# Allegro board 1156197-TDI_VU3P_QSFP28_CXP_V001_1023A-166-20241121_1644_PCB.brd (continued)
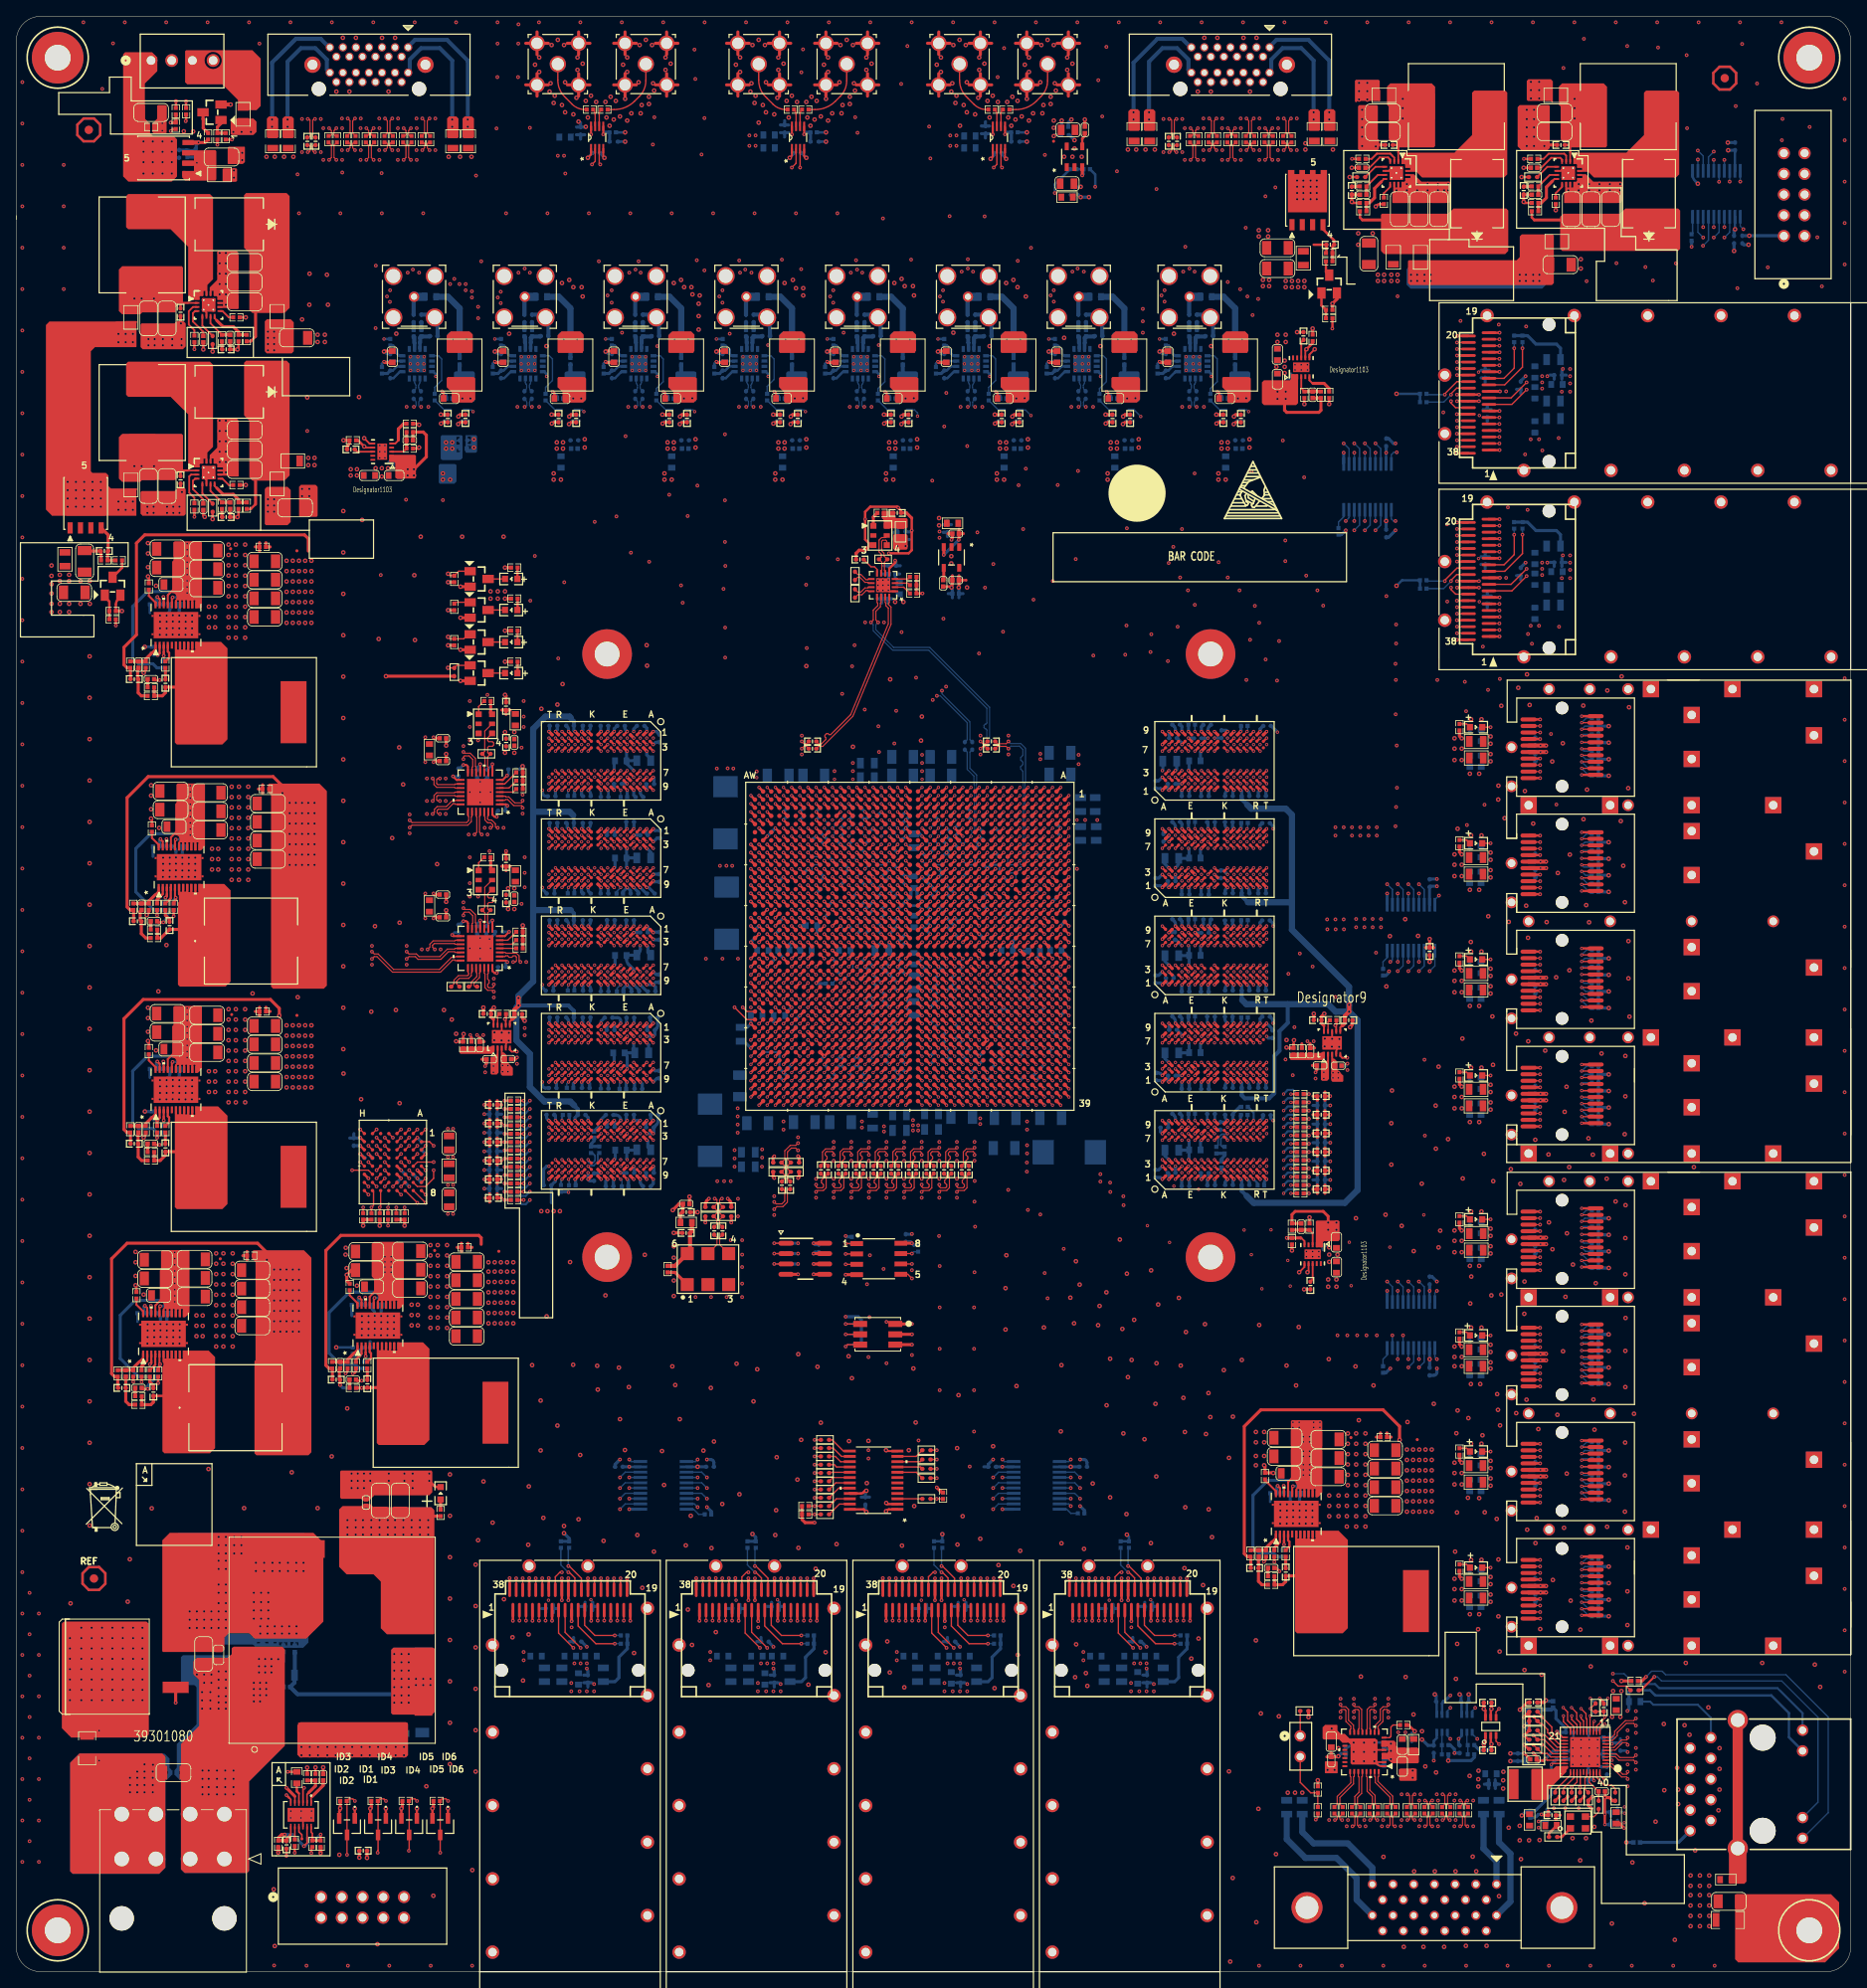
[diagram p0: board, top side]
## Routing (per net, layer and track width the routed paths; a pad name or vN(x,y) marks a point on that pad's centre or on a via; arc(x,y) is an arc through that point) (continued)
CHA_FPGA_DDR4_C1_A8: length 130.5
  TOP w0.267: U8.R2 v3(66.13,139.48) ; U9.R2 v3(66.13,103.66) ; U10.R2 v3(66.13,151.42) ; U7.R2 v3(66.13,127.54) ; R103.1 v1(62.23,104.88) ; U1.AJ12 v1(100.1,134.36) ; U11.R2 v3(66.13,115.6)
  ART03 w0.122: v3(66.13,103.66) 66.53,104.06 66.53,105.18 66.65,105.3 66.73,105.3 66.85,105.42 66.85,105.67 66.73,105.79 66.65,105.79 66.53,105.91 66.53,106.18 66.76,106.41 66.76,106.65 66.53,106.89 66.53,111.95 66.65,112.07 66.88,112.07 67.01,112.19 67.01,112.44 66.88,112.56 66.65,112.56 66.53,112.68 66.53,112.92 66.65,113.04 66.88,113.04 67.01,113.17 67.01,113.41 66.88,113.53 66.65,113.53 66.53,113.65 U11.R2 v3(66.13,115.6) 66.53,116 66.53,117.12 66.65,117.24 66.73,117.24 66.85,117.36 66.85,117.6 66.73,117.73 66.65,117.73 66.53,117.85 66.53,118.12 66.76,118.35 66.76,118.59 66.53,118.82 66.53,123.89 66.65,124.01 66.88,124.01 67.01,124.13 67.01,124.37 66.88,124.5 66.65,124.5 66.53,124.62 66.53,124.86 66.65,124.98 66.88,124.98 67.01,125.1 67.01,125.35 66.88,125.47 66.65,125.47 66.53,125.59 U7.R2 v3(66.13,127.54) 66.53,127.94 66.53,129.06 66.65,129.18 66.73,129.18 66.85,129.3 66.85,129.54 66.73,129.66 66.65,129.66 66.53,129.79 66.53,130.03 66.65,130.15 66.73,130.15 66.85,130.27 66.85,130.52 66.73,130.64 66.65,130.64 66.53,130.76 66.53,135.82 66.65,135.95 66.88,135.95 67.01,136.07 67.01,136.31 66.88,136.43 66.65,136.43 66.53,136.56 66.53,136.8 66.65,136.92 66.88,136.92 67.01,137.04 67.01,137.29 66.88,137.41 66.65,137.41 66.53,137.53 U8.R2 v3(66.13,139.48) 66.53,139.88 66.53,140.92 66.41,141.04 66.11,141.04 65.99,141.16 65.99,141.41 66.11,141.53 66.46,141.53 66.58,141.65 66.58,141.89 66.46,142.01 66.11,142.01 65.99,142.14 65.99,142.38 66.11,142.5 66.41,142.5 66.53,142.62 66.53,142.87 66.41,142.99 66.11,142.99 65.99,143.11 65.99,143.36 66.11,143.48 66.41,143.48 66.53,143.6 66.53,143.84 66.41,143.97 66.11,143.97 65.99,144.09 65.99,144.33 66.11,144.45 66.41,144.45 66.53,144.58 66.53,147.76 66.65,147.88 66.88,147.88 67.01,148.01 67.01,148.25 66.88,148.37 66.65,148.37 66.53,148.49 66.53,148.74 66.65,148.86 66.88,148.86 67.01,148.98 67.01,149.22 66.88,149.35 66.65,149.35 66.53,149.47 U10.R2 v3(66.13,151.42)
  ART05 w0.165: 65.73,152.37 65.73,151.82 v3(66.13,151.42)
  ART05 w0.191: 65.73,152.37 65.74,152.38 65.74,152.88 66.85,154 80.95,154 81.13,153.82 81.13,153.55 80.32,152.74 80.32,152.47 80.59,152.2 80.86,152.2 81.67,153.01 81.94,153.01 85.31,149.64 85.31,148.99 84.5,148.18 84.5,147.91 84.77,147.64 85.04,147.64 85.85,148.45 86.24,148.45 86.61,148.08 86.61,146.11 86.8,145.92 87.31,145.92 87.5,146.11 87.5,146.75 87.69,146.94 88.07,146.94 88.27,146.75 88.27,145.05 88.46,144.86 88.76,144.86 88.95,145.05 88.95,145.48 89.15,145.67 89.53,145.67 89.72,145.48 89.72,145.05 89.91,144.86 91.39,144.86 91.64,144.6 91.64,144.12 91.85,143.92 93.4,143.92 93.68,143.64 93.68,143.08 93.88,142.88 96.47,142.88 97.43,141.91 99.36,141.91 99.64,141.63 99.64,141.15 99.87,140.92 100.28,140.92 100.61,140.59 100.61,139.22 100.97,138.86 101.35,138.86 101.57,138.63 101.57,134.18 101.26,133.86 100.6,133.86 v1(100.1,134.36)
  ART14 w0.165: 65.15,104.06 65.73,104.06 v3(66.13,103.66)
  ART14 w0.191: v1(62.23,104.88) 62.71,104.39 63.75,104.39 64.08,104.06 65.15,104.06
CHA_FPGA_DDR4_C1_A9: length 127.7
  TOP w0.267: U11.R7 v3(66.13,111.6) ; U10.R7 v3(66.13,147.42) ; U1.AG9 v1(102.1,137.36) ; U8.R7 v3(66.13,135.48) ; U7.R7 v3(66.13,123.54) ; U9.R7 v3(66.13,99.66)
  ART07 w0.191: v1(62.99,99.8) 66,99.8 v3(66.13,99.66)
  ART12 w0.165: 65.74,152.6 65.74,147.78 65.96,147.55 66,147.55 v3(66.13,147.42)
  ART12 w0.191: v1(102.1,137.36) 102.43,137.36 102.95,137.87 103.39,137.87 103.58,138.06 103.58,140.64 103.15,141.07 103.15,141.96 102.34,142.77 102.09,142.77 101.55,143.32 101.55,145.82 101.14,146.23 101.14,148.47 98.86,150.75 98.6,150.75 98.35,150.51 98.08,150.51 97.81,150.78 97.81,151.05 98.06,151.29 98.06,151.57 92.36,157.26 70.17,157.26 65.74,152.83 65.74,152.6
  ART16 w0.122: v3(66.13,99.66) 65.73,100.06 65.73,104.94 65.61,105.06 65.48,105.06 65.33,105.21 65.33,105.43 65.45,105.55 65.61,105.55 65.73,105.67 65.73,105.91 65.61,106.04 65.48,106.04 65.33,106.18 65.33,106.4 65.45,106.52 65.61,106.52 65.73,106.65 65.73,106.89 65.61,107.01 65.48,107.01 65.33,107.16 65.33,107.38 65.45,107.5 65.61,107.5 65.73,107.62 65.73,107.87 65.61,107.99 65.48,107.99 65.33,108.13 65.33,108.35 65.45,108.48 65.61,108.48 65.73,108.6 65.73,111.2 v3(66.13,111.6) 65.73,112 65.73,116.88 65.61,117 65.48,117 65.33,117.15 65.33,117.37 65.45,117.49 65.61,117.49 65.73,117.61 65.73,117.85 65.61,117.97 65.48,117.97 65.33,118.12 65.33,118.34 65.45,118.46 65.61,118.46 65.73,118.58 65.73,118.83 65.61,118.95 65.48,118.95 65.33,119.1 65.33,119.32 65.45,119.44 65.61,119.44 65.73,119.56 65.73,119.8 65.61,119.93 65.48,119.93 65.33,120.07 65.33,120.29 65.45,120.41 65.61,120.41 65.73,120.54 65.73,123.14 v3(66.13,123.54) 65.73,123.94 65.73,128.82 65.61,128.94 65.48,128.94 65.33,129.08 65.33,129.3 65.45,129.43 65.61,129.43 65.73,129.55 65.73,129.79 65.61,129.91 65.48,129.91 65.33,130.06 65.33,130.28 65.45,130.4 65.61,130.4 65.73,130.52 65.73,130.77 65.61,130.89 65.48,130.89 65.33,131.04 65.33,131.25 65.45,131.38 65.61,131.38 65.73,131.5 65.73,131.74 65.61,131.86 65.48,131.86 65.33,132.01 65.33,132.23 65.45,132.35 65.61,132.35 65.73,132.47 65.73,135.08 v3(66.13,135.48) 65.73,135.88 65.73,140.75 65.61,140.88 65.32,140.88 65.2,141 65.2,141.24 65.32,141.36 65.61,141.36 65.73,141.49 65.73,141.73 65.61,141.85 65.32,141.85 65.2,141.97 65.2,142.22 65.32,142.34 65.61,142.34 65.73,142.46 65.73,142.7 65.61,142.83 65.32,142.83 65.2,142.95 65.2,143.19 65.32,143.31 65.61,143.31 65.73,143.44 65.73,143.68 65.61,143.8 65.32,143.8 65.2,143.92 65.2,144.17 65.32,144.29 65.61,144.29 65.73,144.41 65.73,147.02 v3(66.13,147.42)
  BOTTOM w0.267: v1(62.99,99.8) 62.48,99.29 61.97,99.29 R104.1
CHA_FPGA_DDR4_C1_A10: length 131.3
  TOP w0.267: U7.M3 v3(68.53,125.94) ; U9.M3 v3(68.53,102.06) ; U10.M3 v3(68.53,149.82) ; U8.M3 v3(68.53,137.88) ; U11.M3 v3(68.53,114) ; U1.AK10 v1(99.1,136.36)
  ART05 w0.122: v3(68.53,149.82) 68.15,149.43 68.15,148.41 68.93,147.63 68.93,144.56 69.05,144.44 69.47,144.44 69.6,144.32 69.6,144.07 69.47,143.95 69.05,143.95 68.93,143.83 68.93,143.59 69.05,143.46 69.47,143.46 69.6,143.34 69.6,143.1 69.47,142.98 69.05,142.98 68.93,142.85 68.93,142.61 69.05,142.49 69.47,142.49 69.6,142.37 69.6,142.12 69.47,142 69.05,142 68.93,141.88 68.93,141.63 69.05,141.51 69.47,141.51 69.6,141.39 69.6,141.15 69.47,141.03 69.05,141.03 68.93,140.9 U8.M3 v3(68.53,137.88) 68.15,137.5 68.15,136.47 68.93,135.69 68.93,132.61 68.81,132.49 68.7,132.49 68.58,132.36 68.58,132.12 68.7,132 68.81,132 68.93,131.88 68.93,131.63 68.81,131.51 68.7,131.51 68.58,131.39 68.58,131.14 68.7,131.02 68.81,131.02 68.93,130.9 68.93,130.66 68.81,130.53 68.7,130.53 68.58,130.41 68.58,130.17 68.7,130.05 68.81,130.05 68.93,129.93 68.93,129.68 68.81,129.56 68.7,129.56 68.58,129.44 68.58,129.19 68.7,129.07 68.81,129.07 68.93,128.95 U7.M3 v3(68.53,125.94) 68.15,125.56 68.15,124.54 68.93,123.75 68.93,120.67 68.81,120.55 68.7,120.55 68.58,120.43 68.58,120.18 68.7,120.06 68.81,120.06 68.93,119.94 68.93,119.69 68.81,119.57 68.7,119.57 68.58,119.45 68.58,119.21 68.7,119.08 68.81,119.08 68.93,118.96 68.93,118.72 68.81,118.6 68.7,118.6 68.58,118.47 68.58,118.23 68.7,118.11 68.81,118.11 68.93,117.99 68.93,117.74 68.81,117.62 68.7,117.62 68.58,117.5 68.58,117.26 68.7,117.13 68.81,117.13 68.93,117.01 U11.M3 v3(68.53,114) 68.15,113.62 68.15,112.6 68.93,111.82 68.93,108.73 68.81,108.61 68.7,108.61 68.58,108.49 68.58,108.24 68.7,108.12 68.81,108.12 68.93,108 68.93,107.76 68.81,107.63 68.7,107.63 68.58,107.51 68.58,107.27 68.7,107.15 68.81,107.15 68.93,107.02 68.93,106.78 68.81,106.66 68.7,106.66 68.58,106.54 68.58,106.29 68.7,106.17 68.81,106.17 68.93,106.05 68.93,105.81 68.81,105.68 68.7,105.68 68.58,105.56 68.58,105.32 68.7,105.2 68.81,105.2 68.93,105.07 U9.M3 v3(68.53,102.06)
  ART07 w0.191: v1(62.99,101.83) 63.22,101.6 68.14,101.6 68.33,101.79 68.33,101.85 68.53,102.06 v3(68.53,102.06)
  ART12 w0.165: 68.93,152.67 U10.M3 v3(68.53,149.82)
  ART12 w0.191: v1(99.1,136.36) 99.57,136.82 99.57,141.53 98.32,142.77 96.09,142.77 95.52,143.34 95.52,145.73 95.12,146.13 95.12,148.15 89.13,154.15 88.84,154.15 88.65,154.34 88.65,154.72 88.46,154.91 88.08,154.91 87.89,154.72 87.89,154.34 87.7,154.15 87.32,154.15 87.13,154.34 87.13,154.72 86.94,154.91 86.56,154.91 86.37,154.72 86.37,154.34 86.18,154.15 85.79,154.15 85.6,154.34 85.6,154.72 85.41,154.91 85.03,154.91 84.84,154.72 84.84,154.34 84.65,154.15 84.27,154.15 84.08,154.34 84.08,154.72 83.89,154.91 83.51,154.91 83.32,154.72 83.32,154.34 83.13,154.15 82.75,154.15 82.56,154.34 82.56,154.72 82.37,154.91 81.98,154.91 81.79,154.72 81.79,154.34 81.6,154.15 81.22,154.15 81.03,154.34 81.03,154.72 80.84,154.91 80.46,154.91 80.27,154.72 80.27,154.34 80.08,154.15 79.7,154.15 79.51,154.34 79.51,154.72 79.32,154.91 78.94,154.91 78.75,154.72 78.75,154.34 78.56,154.15 78.17,154.15 77.98,154.34 77.98,154.72 77.79,154.91 77.41,154.91 77.22,154.72 77.22,154.34 77.03,154.15 76.65,154.15 76.46,154.34 76.46,154.72 76.27,154.91 75.89,154.91 75.7,154.72 75.7,154.34 75.51,154.15 75.13,154.15 74.94,154.34 74.94,154.72 74.75,154.91 74.36,154.91 74.17,154.72 74.17,154.34 73.98,154.15 73.6,154.15 73.41,154.34 73.41,154.72 73.22,154.91 72.84,154.91 72.65,154.72 72.65,154.34 72.46,154.15 72.08,154.15 71.89,154.34 71.89,154.72 71.7,154.91 71.32,154.91 71.13,154.72 71.13,154.34 70.94,154.15 70.41,154.15 68.93,152.67
  BOTTOM w0.267: v1(62.99,101.83) 62.48,101.32 61.97,101.32 R105.1
CHA_FPGA_DDR4_C1_A11: length 127.7
  TOP w0.267: U10.T2 v3(65.33,151.42) ; U1.AG10 v1(102.1,136.36) ; U11.T2 v3(65.33,115.6) ; U9.T2 v3(65.33,103.66) ; U8.T2 v3(65.33,139.48) ; U7.T2 v3(65.33,127.54)
  ART03 w0.122: v3(65.33,151.42) U10.T2 65.73,149.43 65.85,149.31 65.99,149.31 66.12,149.19 66.12,148.94 65.99,148.82 65.7,148.82 65.58,148.7 65.58,148.46 65.7,148.34 65.99,148.34 66.12,148.21 66.12,147.97 65.99,147.85 65.85,147.85 65.73,147.73 65.73,144.81 65.41,144.49 65.15,144.49 65.02,144.36 65.02,144.12 65.15,144 65.41,144 65.53,143.88 65.53,143.63 65.41,143.51 65.15,143.51 65.02,143.39 65.02,143.14 65.15,143.02 65.41,143.02 65.53,142.9 65.53,142.66 65.41,142.53 65.15,142.53 65.02,142.41 65.02,142.17 65.15,142.05 65.41,142.05 65.53,141.93 65.53,141.68 65.41,141.56 65.2,141.56 65.07,141.44 65.07,141.19 65.2,141.07 65.41,141.07 65.73,140.75 65.73,139.88 v3(65.33,139.48) U8.T2 65.73,137.49 65.85,137.37 65.99,137.37 66.12,137.25 66.12,137.01 65.99,136.88 65.7,136.88 65.58,136.76 65.58,136.52 65.7,136.4 65.99,136.4 66.12,136.28 66.12,136.03 65.99,135.91 65.85,135.91 65.73,135.79 65.73,132.42 65.85,132.3 65.92,132.3 66.04,132.18 66.04,131.93 65.92,131.81 65.85,131.81 65.73,131.69 65.73,131.45 65.85,131.32 65.92,131.32 66.04,131.2 66.04,130.96 65.92,130.84 65.85,130.84 65.73,130.71 65.73,127.94 v3(65.33,127.54) U7.T2 65.73,125.56 65.85,125.43 65.99,125.43 66.12,125.31 66.12,125.07 65.99,124.95 65.7,124.95 65.58,124.82 65.58,124.58 65.7,124.46 65.99,124.46 66.12,124.34 66.12,124.09 65.99,123.97 65.85,123.97 65.73,123.85 65.73,120.48 65.85,120.36 65.92,120.36 66.04,120.24 66.04,120 65.92,119.87 65.85,119.87 65.73,119.75 65.73,119.51 65.85,119.39 65.92,119.39 66.04,119.26 66.04,119.02 65.92,118.9 65.85,118.9 65.73,118.78 65.73,116 v3(65.33,115.6) U11.T2 65.73,113.62 65.85,113.5 65.99,113.5 66.12,113.37 66.12,113.13 65.99,113.01 65.7,113.01 65.58,112.89 65.58,112.64 65.7,112.52 65.99,112.52 66.12,112.4 66.12,112.16 65.99,112.03 65.85,112.03 65.73,111.91 65.73,108.55 65.85,108.42 65.92,108.42 66.04,108.3 66.04,108.06 65.92,107.94 65.85,107.94 65.73,107.81 65.73,107.57 65.85,107.45 65.92,107.45 66.04,107.33 66.04,107.08 65.92,106.96 65.85,106.96 65.73,106.84 65.73,104.06 v3(65.33,103.66)
  ART12 w0.191: v3(65.33,151.42) 64.92,151.82 64.92,152.94 69.82,157.84 92.6,157.84 101.85,148.58 101.85,146.41 102.57,145.69 102.57,144.15 102.84,143.87 103.25,143.87 103.61,143.51 103.61,142.02 103.85,141.78 104.34,141.78 104.65,141.48 104.65,137.16 104.33,136.84 102.83,136.84 102.35,136.36 v1(102.1,136.36)
  ART14 w0.191: v1(62.99,103.86) 63.5,103.86 63.86,103.5 65.17,103.5 v3(65.33,103.66)
  BOTTOM w0.267: v1(62.99,103.86) 62.48,103.35 61.97,103.35 R106.1
CHA_FPGA_DDR4_C1_A12: length 125.6
  TOP w0.267: U11.M7 v3(68.53,111.6) ; U1.AM8 v1(97.1,138.36) ; U8.M7 v3(68.53,135.48) ; U10.M7 v3(68.53,147.42) ; U9.M7 v3(68.53,99.66) ; U7.M7 v3(68.53,123.54)
  ART12 w0.191: v3(68.53,147.42) 69.1,147.98 69.34,147.98 69.53,148.17 69.53,148.45 69.72,148.64 70.1,148.64 70.29,148.45 70.29,148.17 70.48,147.98 70.93,147.98 71.12,148.17 71.12,152.4 71.63,152.91 86.23,152.91 87.3,151.85 87.57,151.85 88.07,152.35 88.34,152.35 88.61,152.08 88.61,151.81 88.1,151.31 88.1,151.04 88.37,150.77 88.64,150.77 89.15,151.27 89.42,151.27 89.69,151 89.69,150.73 89.18,150.23 89.18,149.96 89.45,149.69 89.72,149.69 90.23,150.19 90.5,150.19 90.77,149.92 90.77,149.66 90.26,149.15 90.26,148.88 90.53,148.61 90.8,148.61 91.3,149.12 91.57,149.12 91.84,148.85 91.84,148.58 91.34,148.07 91.34,146.14 91.53,145.95 91.95,145.95 92.14,146.14 92.14,147.69 92.33,147.88 92.68,147.88 92.9,147.66 92.9,146.14 93.09,145.95 93.1,145.95 93.52,145.53 93.52,142.16 93.83,141.86 94.87,141.86 95.81,140.92 97.35,140.92 97.64,140.63 97.64,138.89 v1(97.1,138.36)
  ART14 w0.165: 65.1,99.26 68.15,99.26 68.53,99.65 v3(68.53,99.66)
  ART14 w0.191: 65.1,99.26 64.49,99.26 v1(62.99,97.76)
  ART16 w0.122: v3(68.53,147.42) 68.13,147.02 68.13,144.49 68.25,144.37 68.56,144.37 68.68,144.25 68.68,144 68.56,143.88 68.25,143.88 68.13,143.76 68.13,143.51 68.25,143.39 68.56,143.39 68.68,143.27 68.68,143.03 68.56,142.9 68.23,142.9 68.11,142.78 68.11,142.54 68.23,142.42 68.56,142.42 68.68,142.3 68.68,142.05 68.56,141.93 68.2,141.93 68.08,141.81 68.08,141.56 68.2,141.44 68.56,141.44 68.68,141.32 68.68,141.08 68.56,140.95 68.25,140.95 68.13,140.83 68.13,135.88 v3(68.53,135.48) 68.13,135.08 68.13,132.55 68.25,132.43 68.36,132.43 68.48,132.31 68.48,132.06 68.36,131.94 68.25,131.94 68.13,131.82 68.13,131.58 68.25,131.45 68.36,131.45 68.48,131.33 68.48,131.09 68.36,130.97 68.23,130.97 68.11,130.85 68.11,130.6 68.23,130.48 68.36,130.48 68.48,130.36 68.48,130.11 68.36,129.99 68.2,129.99 68.08,129.87 68.08,129.63 68.2,129.5 68.36,129.5 68.48,129.38 68.48,129.14 68.36,129.02 68.25,129.02 68.13,128.89 68.13,123.94 v3(68.53,123.54) 68.13,123.14 68.13,120.61 68.25,120.49 68.36,120.49 68.48,120.37 68.48,120.13 68.36,120 68.25,120 68.13,119.88 68.13,119.64 68.25,119.52 68.36,119.52 68.48,119.39 68.48,119.15 68.36,119.03 68.23,119.03 68.11,118.91 68.11,118.66 68.23,118.54 68.41,118.54 68.53,118.42 68.53,118.18 68.41,118.05 68.2,118.05 68.08,117.93 68.08,117.69 68.2,117.57 68.38,117.57 68.5,117.44 68.5,117.23 68.36,117.08 68.25,117.08 68.13,116.96 68.13,112 v3(68.53,111.6) 68.13,111.2 68.13,108.68 68.25,108.55 68.36,108.55 68.48,108.43 68.48,108.19 68.36,108.07 68.25,108.07 68.13,107.94 68.13,107.7 68.25,107.58 68.36,107.58 68.48,107.46 68.48,107.21 68.36,107.09 68.23,107.09 68.11,106.97 68.11,106.73 68.23,106.6 68.41,106.6 68.53,106.48 68.53,106.24 68.41,106.12 68.2,106.12 68.08,105.99 68.08,105.75 68.2,105.63 68.38,105.63 68.5,105.51 68.5,105.29 68.36,105.14 68.25,105.14 68.13,105.02 68.13,100.06 v3(68.53,99.66)
  BOTTOM w0.267: R107.1 61.97,97.26 62.48,97.26 v1(62.99,97.76)
CHA_FPGA_DDR4_C1_A13: length 113.7
  TOP w0.267: U10.T8 v3(65.33,145.82) ; U9.T8 v3(65.33,98.06) ; U8.T8 v3(65.33,133.88) ; U1.AW9 v1(90.1,137.36) ; U11.T8 v3(65.33,110) ; U7.T8 v3(65.33,121.94)
  ART07 w0.165: 64.94,144.74 64.94,145.42 v3(65.33,145.82)
  ART07 w0.191: 64.94,144.74 64.94,144.58 64.73,144.38 64.05,144.38 63.86,144.19 63.86,143.8 64.05,143.61 64.99,143.61 65.18,143.42 65.18,143.04 64.99,142.85 64.05,142.85 63.86,142.66 63.86,142.28 64.05,142.09 64.73,142.09 64.92,141.9 64.92,141.59 65.11,141.4 80.39,141.4 80.58,141.59 80.58,142.66 80.77,142.85 81.15,142.85 81.34,142.66 81.34,141.59 81.53,141.4 81.91,141.4 82.1,141.59 82.1,142.91 82.29,143.1 82.67,143.1 82.86,142.91 82.86,141.59 83.05,141.4 83.43,141.4 83.62,141.59 83.62,142.91 83.82,143.1 84.2,143.1 84.39,142.91 84.39,141.59 84.58,141.4 84.96,141.4 85.15,141.59 85.15,142.91 85.34,143.1 85.72,143.1 85.91,142.91 85.91,141.59 88.54,138.96 88.81,138.96 88.91,139.06 89.21,139.06 89.47,138.8 89.47,138.54 89.35,138.42 89.35,138.15 90.1,137.4 v1(90.1,137.36)
  ART12 w0.122: v3(65.33,145.82) 64.93,145.41 64.93,144.56 64.81,144.44 64.66,144.44 64.54,144.32 64.54,144.07 64.66,143.95 64.81,143.95 64.93,143.83 64.93,143.59 64.81,143.46 64.66,143.46 64.54,143.34 64.54,143.1 64.66,142.98 64.81,142.98 64.93,142.85 64.93,142.61 64.81,142.49 64.66,142.49 64.54,142.37 64.54,142.12 64.66,142 64.81,142 64.93,141.88 64.93,141.63 64.81,141.51 64.66,141.51 64.54,141.39 64.54,141.15 64.66,141.03 64.81,141.03 64.93,140.9 64.93,137.57 65.05,137.45 65.23,137.45 65.35,137.33 65.35,137.08 65.23,136.96 65.05,136.96 64.93,136.84 64.93,136.6 65.05,136.47 65.23,136.47 65.35,136.35 65.35,136.11 65.23,135.99 65.05,135.99 64.93,135.87 64.93,134.28 v3(65.33,133.88) 64.93,133.48 64.93,130.38 65.05,130.25 65.16,130.25 65.28,130.13 65.28,129.89 65.16,129.77 65.05,129.77 64.93,129.64 64.93,129.4 65.05,129.28 65.16,129.28 65.28,129.16 65.28,128.91 65.16,128.79 65.05,128.79 64.93,128.67 64.93,125.63 65.05,125.51 65.23,125.51 65.35,125.39 65.35,125.15 65.23,125.02 65.05,125.02 64.93,124.9 64.93,124.66 65.05,124.54 65.23,124.54 65.35,124.41 65.35,124.17 65.23,124.05 65.05,124.05 64.93,123.93 64.93,122.34 v3(65.33,121.94) 64.93,121.54 64.93,118.44 65.05,118.32 65.16,118.32 65.28,118.19 65.28,117.95 65.16,117.83 65.05,117.83 64.93,117.71 64.93,117.46 65.05,117.34 65.16,117.34 65.28,117.22 65.28,116.97 65.16,116.85 65.05,116.85 64.93,116.73 64.93,113.7 65.05,113.57 65.23,113.57 65.35,113.45 65.35,113.21 65.23,113.09 65.05,113.09 64.93,112.96 64.93,112.72 65.05,112.6 65.23,112.6 65.35,112.48 65.35,112.23 65.23,112.11 65.05,112.11 64.93,111.99 64.93,110.4 v3(65.33,110) 64.93,109.6 64.93,106.5 65.05,106.38 65.16,106.38 65.28,106.26 65.28,106.01 65.16,105.89 65.05,105.89 64.93,105.77 64.93,105.52 65.05,105.4 65.16,105.4 65.28,105.28 65.28,105.04 65.16,104.91 65.05,104.91 64.93,104.79 64.93,101.76 65.05,101.64 65.23,101.64 65.35,101.51 65.35,101.27 65.23,101.15 65.05,101.15 64.93,101.03 64.93,100.78 65.05,100.66 65.23,100.66 65.35,100.54 65.35,100.29 65.23,100.17 65.05,100.17 64.93,100.05 64.93,98.46 v3(65.33,98.06)
  ART14 w0.191: v3(65.33,98.06) 65.17,98.22 64.47,98.22 v1(62.99,96.75)
  BOTTOM w0.267: R108.1 61.97,96.24 62.48,96.24 v1(62.99,96.75)
CHA_FPGA_DDR4_C1_ACT: length 133.2
  TOP w0.267: U11.L3 v3(69.33,114) ; U1.AK9 v1(99.1,137.36) ; U7.L3 v3(69.33,125.94) ; U8.L3 v3(69.33,137.88) ; U9.L3 v3(69.33,102.06) ; U10.L3 v3(69.33,149.82)
  ART05 w0.122: v3(69.33,149.82) 69.33,149.38 69.21,149.26 68.65,149.26 68.53,149.14 68.53,148.89 68.65,148.77 69.21,148.77 69.33,148.65 69.33,148.02 69.73,147.62 69.73,144.72 70.11,144.35 70.44,144.35 70.56,144.22 70.56,143.98 70.44,143.86 70.2,143.86 70.08,143.74 70.08,143.49 70.2,143.37 70.44,143.37 70.56,143.25 70.56,143 70.44,142.88 70.2,142.88 70.08,142.76 70.08,142.52 70.2,142.4 70.44,142.4 70.56,142.27 70.56,142.03 70.44,141.91 70.2,141.91 70.08,141.79 70.08,141.54 70.2,141.42 70.44,141.42 70.56,141.3 70.56,141.05 70.44,140.93 70.09,140.93 69.73,140.57 U8.L3 v3(69.33,137.88) 69.33,137.44 69.21,137.32 68.65,137.32 68.53,137.2 68.53,136.96 68.65,136.83 69.21,136.83 69.33,136.71 69.33,136.08 69.73,135.68 69.73,132.06 69.61,131.93 69.41,131.93 69.29,131.81 69.29,131.57 69.41,131.45 69.61,131.45 69.73,131.33 U7.L3 v3(69.33,125.94) 69.33,125.51 69.21,125.38 68.65,125.38 68.53,125.26 68.53,125.02 68.65,124.9 69.21,124.9 69.33,124.77 69.33,124.14 69.73,123.74 69.73,120.12 69.61,120 69.41,120 69.29,119.87 69.29,119.63 69.41,119.51 69.61,119.51 69.73,119.39 U11.L3 v3(69.33,114) 69.33,113.57 69.21,113.45 68.65,113.45 68.53,113.32 68.53,113.08 68.65,112.96 69.21,112.96 69.33,112.84 69.33,112.2 69.73,111.8 69.73,108.18 69.61,108.06 69.41,108.06 69.29,107.94 69.29,107.69 69.41,107.57 69.61,107.57 69.73,107.45 U9.L3 v3(69.33,102.06)
  ART05 w0.165: v3(69.33,149.82) U10.L3 70.51,150.22
  ART05 w0.191: v1(99.1,137.36) 98.6,137.86 98.6,138.58 98.35,138.84 97.84,138.84 97.61,139.06 97.61,139.65 97.33,139.93 92.33,139.93 91.41,140.84 90.88,140.84 90.63,141.1 90.63,141.5 90.25,141.88 86.09,141.88 85.9,142.07 85.9,143.32 85.71,143.51 85.33,143.51 85.14,143.32 85.14,142.07 84.95,141.88 84.55,141.88 84.36,142.07 84.36,144.59 84.17,144.78 83.79,144.78 83.6,144.59 83.6,142.07 83.41,141.88 83.03,141.88 82.84,142.07 82.84,144.59 82.65,144.78 82.27,144.78 82.08,144.59 82.08,142.07 81.89,141.88 81.51,141.88 81.32,142.07 81.32,144.59 81.13,144.78 80.74,144.78 80.55,144.59 80.55,142.07 80.36,141.88 79.73,141.88 79.5,142.11 79.5,145.48 79.69,145.67 80.84,145.67 81.03,145.86 81.03,146.24 80.84,146.43 79.69,146.43 79.5,146.62 79.5,148.26 78.36,149.4 71.53,149.4 70.71,150.22 70.51,150.22
  ART07 w0.191: v3(69.33,102.06) 68.96,101.69 68.96,101.16 68.64,100.84 63.02,100.84 v1(62.99,100.81)
  BOTTOM w0.267: v1(62.99,100.81) 62.48,100.3 61.97,100.3 R122.1
CHA_FPGA_DDR4_C1_ALERT: length 123.3
  TOP w0.267: U9.P9 v3(66.93,97.26) ; U11.P9 v3(66.93,109.2) ; U8.P9 v3(66.93,133.08) ; U1.AU14 v1(92.1,132.36) ; U7.P9 v3(66.93,121.14) ; U10.P9 v3(66.93,145.01)
  ART07 w0.165: v3(66.93,145.01) 66.93,145.22 67.34,145.63 67.34,147.74 67.14,147.93
  ART07 w0.191: v1(92.1,132.36) 92.35,132.36 92.54,132.55 92.54,133.54 92.25,133.83 91.97,133.83 91.62,134.19 91.62,135.61 91.39,135.84 90.79,135.84 90.6,136.03 90.6,136.55 90.3,136.86 89.84,136.86 85.95,140.74 64.74,140.74 64.55,140.93 64.55,141.11 64.36,141.3 63.68,141.3 63.27,141.71 63.27,146.16 63.46,146.35 64.63,146.35 64.82,146.54 64.82,146.92 64.63,147.11 63.46,147.11 63.27,147.3 63.27,147.74 63.46,147.93 64.18,147.93 64.37,148.12 64.37,148.73 64.56,148.92 64.94,148.92 65.13,148.73 65.13,148.12 65.32,147.93 65.7,147.93 65.89,148.12 65.89,148.73 66.08,148.92 66.46,148.92 66.65,148.73 66.65,148.12 66.85,147.93 67.14,147.93
  ART12 w0.122: v3(66.93,97.26) U9.P9 67.33,105.01 67.21,105.13 67.1,105.13 66.98,105.25 66.98,105.5 67.1,105.62 67.31,105.62 67.43,105.74 67.43,105.96 67.28,106.11 67.13,106.11 67.01,106.23 67.01,106.47 67.13,106.6 67.31,106.6 67.43,106.72 67.43,106.94 67.28,107.08 67.13,107.08 67.01,107.21 67.01,107.45 67.13,107.57 67.31,107.57 67.43,107.69 67.43,107.91 67.28,108.06 67.13,108.06 67.01,108.18 67.01,108.42 67.13,108.55 67.21,108.55 67.33,108.67 67.33,108.8 v3(66.93,109.2) U11.P9 67.33,116.95 67.21,117.07 67.1,117.07 66.98,117.19 66.98,117.44 67.1,117.56 67.31,117.56 67.43,117.68 67.43,117.9 67.28,118.05 67.13,118.05 67.01,118.17 67.01,118.41 67.13,118.53 67.31,118.53 67.43,118.66 67.43,118.87 67.28,119.02 67.13,119.02 67.01,119.14 67.01,119.39 67.13,119.51 67.31,119.51 67.43,119.63 67.43,119.85 67.28,120 67.13,120 67.01,120.12 67.01,120.36 67.13,120.48 67.21,120.48 67.33,120.61 67.33,120.74 v3(66.93,121.14) U7.P9 67.33,128.89 67.21,129.01 67.1,129.01 66.98,129.13 66.98,129.37 67.1,129.5 67.31,129.5 67.43,129.62 67.43,129.84 67.28,129.98 67.13,129.98 67.01,130.11 67.01,130.35 67.13,130.47 67.31,130.47 67.43,130.59 67.43,130.81 67.28,130.96 67.13,130.96 67.01,131.08 67.01,131.32 67.13,131.45 67.31,131.45 67.43,131.57 67.43,131.79 67.28,131.93 67.13,131.93 67.01,132.06 67.01,132.3 67.13,132.42 67.21,132.42 67.33,132.54 67.33,132.68 v3(66.93,133.08) U8.P9 67.33,140.82 67.21,140.95 67.08,140.95 66.95,141.07 66.95,141.31 67.08,141.43 67.41,141.43 67.53,141.56 67.53,141.8 67.41,141.92 67.1,141.92 66.98,142.04 66.98,142.29 67.1,142.41 67.41,142.41 67.53,142.53 67.53,142.78 67.41,142.9 67.1,142.9 66.98,143.02 66.98,143.26 67.1,143.38 67.41,143.38 67.53,143.51 67.53,143.75 67.41,143.87 67.1,143.87 66.98,143.99 66.98,144.24 67.1,144.36 67.21,144.36 67.33,144.48 67.33,144.61 v3(66.93,145.01)
  ART14 w0.191: v1(62.99,95.73) 63.91,95.73 64.64,96.47 66.14,96.47 v3(66.93,97.26)
  BOTTOM w0.267: R92.2 61.97,95.22 62.48,95.22 v1(62.99,95.73) ; R93.2 66.8,97.13 v3(66.93,97.26)
CHA_FPGA_DDR4_C1_BA0: length 132.4
  TOP w0.267: U9.N2 v3(67.73,103.66) ; U7.N2 v3(67.73,127.54) ; U8.N2 v3(67.73,139.48) ; R109.1 v1(62.23,105.89) ; U11.N2 v3(67.73,115.6) ; U10.N2 v3(67.73,151.42) ; U1.AH11 v1(101.1,135.36)
  ART03 w0.122: v3(67.73,103.66) 68.13,104.06 68.13,105.79 68.25,105.91 68.33,105.91 68.45,106.04 68.45,106.28 68.33,106.4 68.25,106.4 68.13,106.52 68.13,106.77 68.25,106.89 68.33,106.89 68.45,107.01 68.45,107.26 68.33,107.38 68.25,107.38 68.13,107.5 68.13,107.74 68.25,107.86 68.33,107.86 68.45,107.99 68.45,108.23 68.33,108.35 68.25,108.35 68.13,108.47 68.13,112 68.25,112.13 68.36,112.13 68.48,112.25 68.48,112.49 68.36,112.61 68.25,112.61 68.13,112.73 68.13,112.88 68.25,113.01 68.38,113.01 68.5,113.13 68.5,113.37 68.38,113.49 68.25,113.49 68.13,113.61 U11.N2 v3(67.73,115.6) 68.13,116 68.13,117.73 68.25,117.85 68.33,117.85 68.45,117.97 68.45,118.22 68.33,118.34 68.25,118.34 68.13,118.46 68.13,118.71 68.25,118.83 68.33,118.83 68.45,118.95 68.45,119.19 68.33,119.31 68.25,119.31 68.13,119.44 68.13,119.68 68.25,119.8 68.33,119.8 68.45,119.92 68.45,120.17 68.33,120.29 68.25,120.29 68.13,120.41 68.13,123.94 68.25,124.06 68.36,124.06 68.48,124.19 68.48,124.43 68.36,124.55 68.25,124.55 68.13,124.67 68.13,124.82 68.25,124.94 68.38,124.94 68.5,125.07 68.5,125.31 68.38,125.43 68.25,125.43 68.13,125.55 U7.N2 v3(67.73,127.54) 68.13,127.94 68.13,129.67 68.25,129.79 68.33,129.79 68.45,129.91 68.45,130.16 68.33,130.28 68.25,130.28 68.13,130.4 68.13,130.64 68.25,130.77 68.33,130.77 68.45,130.89 68.45,131.13 68.33,131.25 68.25,131.25 68.13,131.37 68.13,131.62 68.25,131.74 68.33,131.74 68.45,131.86 68.45,132.11 68.33,132.23 68.25,132.23 68.13,132.35 68.13,135.88 68.25,136 68.36,136 68.48,136.12 68.48,136.37 68.36,136.49 68.25,136.49 68.13,136.61 68.13,136.76 68.25,136.88 68.38,136.88 68.5,137 68.5,137.25 68.38,137.37 68.25,137.37 68.13,137.49 U8.N2 v3(67.73,139.48) 68.13,139.88 68.13,140.78 68.25,140.9 68.43,140.9 68.55,141.02 68.55,141.26 68.43,141.39 68,141.39 67.88,141.51 67.88,141.75 68,141.87 68.43,141.87 68.55,142 68.55,142.24 68.43,142.36 68.02,142.36 67.88,142.51 67.88,142.73 68,142.85 68.43,142.85 68.55,142.97 68.55,143.22 68.43,143.34 68,143.34 67.88,143.46 67.88,143.7 68,143.82 68.43,143.82 68.55,143.95 68.55,144.19 68.43,144.31 68.25,144.31 68.13,144.43 68.13,147.82 68.25,147.94 68.36,147.94 68.48,148.06 68.48,148.31 68.36,148.43 68.25,148.43 68.13,148.55 68.13,148.7 68.25,148.82 68.38,148.82 68.5,148.94 68.5,149.18 68.38,149.31 68.25,149.31 68.13,149.43 U10.N2 v3(67.73,151.42)